# Altium PCB CorePad-V2.0.PcbDoc (part 3 of 3) (continued)
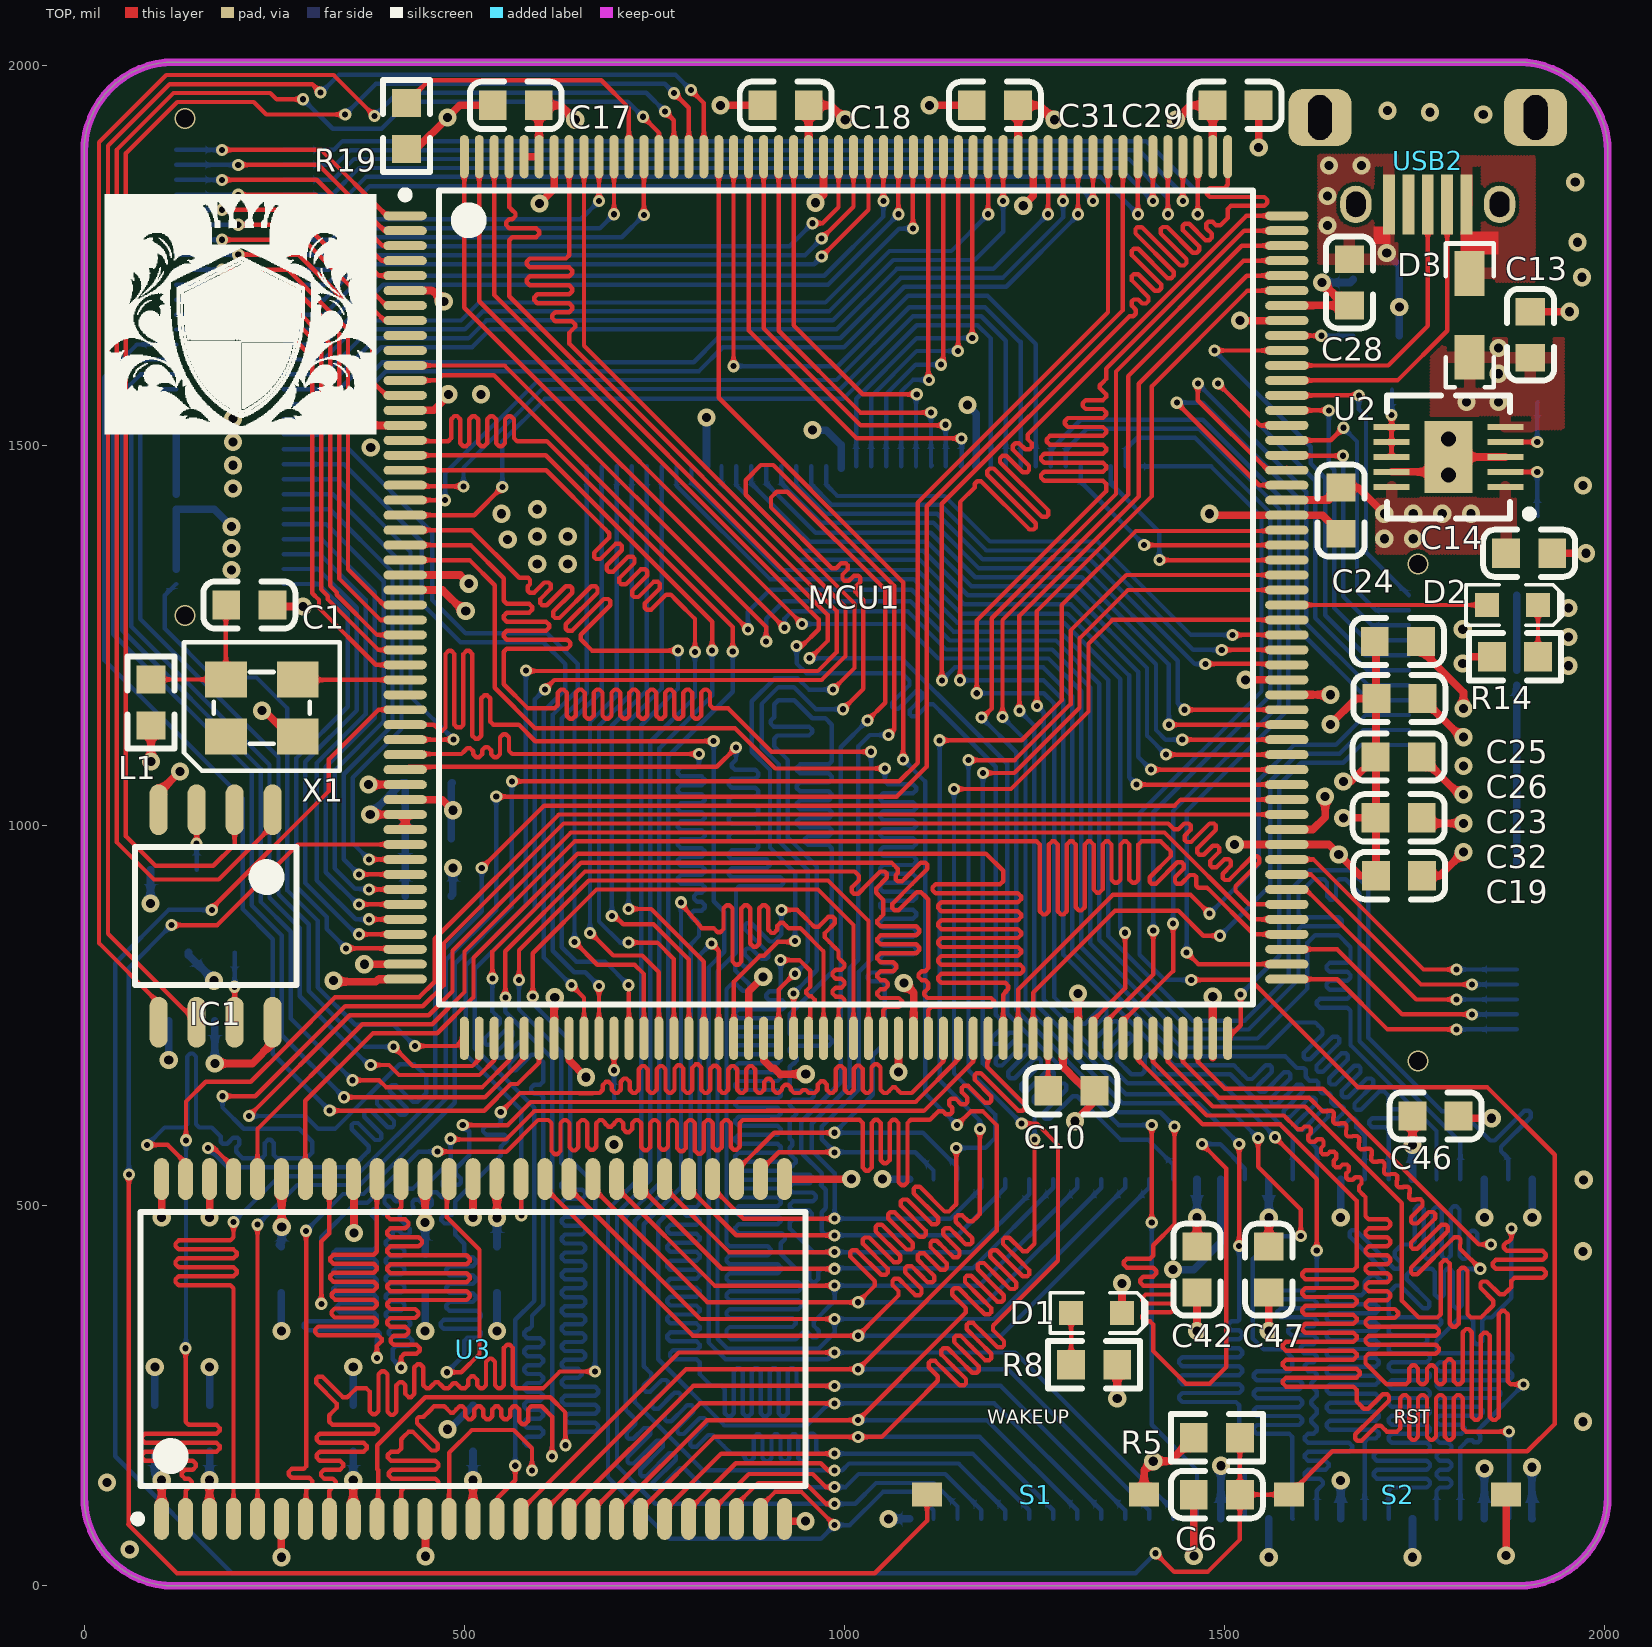
[diagram p0: TOP view]
## Nets (pads, with @x,y where several pads share a name; then routed paths per layer and width w, separated by ;. In a path a pad name is that pad's centre, name@x,y a point inside that pad or via, vN(x,y) a via of type N, cw(c..) or ccw(c..) an arc to the next point about the centre after c; other vN are vias at no path point) (continued)
  TOP w5.78: v1(854,1604) 854,1877.9 855,1878.9 MCU1.190@854.33,1879.57
  BOT w5.78: v1(854,1604) 991.02,1604 1083.58,1696.56 1188.1,1696.56 1251.56,1633.1 J4.33@1251.56,1472.21
LCD_G0: J4.12 MCU1.119 | length 987.3
  TOP w5.78: v1(1403,1073.46) MCU1.119@1581.69,1073.46
  BOT w5.78: J4.12@838.18,1472.21 838.18,1449.82 938.32,1349.68 1098.62,1349.68 1157.3,1291 1297.32,1291 1386.03,1202.29 1386.03,1090.43 v1(1403,1073.46)
LCD_G1: J4.13 MCU1.120 | length 947.7
  TOP w5.78: v1(1422.85,1093.15) MCU1.120@1581.69,1093.15
  BOT w5.78: J4.13@857.86,1472.21 857.86,1447.14 943.54,1361.46 1103.5,1361.46 1162.18,1302.78 1302.2,1302.78 1397.81,1207.17 1397.81,1118.19 v1(1422.85,1093.15)
LCD_G2: J4.14 MCU1.121 | length 917
  TOP w5.78: v1(1444.17,1112.83) MCU1.121@1581.69,1112.83
  BOT w5.78: J4.14@877.55,1472.21 877.55,1449.45 953.76,1373.24 1108.38,1373.24 1167.06,1314.56 1307.08,1314.56 1409.59,1212.05 1409.59,1125.52 1422.28,1112.83 v1(1444.17,1112.83)
LCD_G3: J4.15 MCU1.122 | length 884.8
  TOP w5.78: v1(1426.48,1132.52) MCU1.122@1581.69,1132.52
  BOT w5.78: J4.15@897.23,1472.21 897.23,1449.77 961.98,1385.02 1113.26,1385.02 1171.94,1326.34 1311.96,1326.34 1426.48,1211.82 v1(1426.48,1132.52)
LCD_G4: J4.16 MCU1.123 | length 842.8
  TOP w5.78: v1(1447.2,1152.2) MCU1.123@1581.69,1152.2
  BOT w5.78: J4.16@916.92,1472.21 916.92,1450.08 969,1398 1116.93,1398 1176.81,1338.12 1316.84,1338.12 1438.26,1216.7 1438.26,1161.15 v1(1447.2,1152.2)
LCD_G5: J4.17 MCU1.126 | length 767.1
  TOP w5.78: v1(1474.46,1212.46) 1580.49,1212.46 MCU1.126@1581.69,1211.26
  BOT w5.78: J4.17@936.6,1472.21 936.6,1448.4 975.22,1409.78 1121.81,1409.78 1181.69,1349.9 1323.1,1349.9 1460.54,1212.46 v1(1474.46,1212.46)
LCD_G6: J4.18 MCU1.127 | length 739.1
  TOP w5.78: v1(1496.06,1230.94) MCU1.127@1581.69,1230.94
  BOT w5.78: J4.18@956.29,1472.21 956.29,1448.71 983.44,1421.56 1126.69,1421.56 1186.57,1361.68 1327.98,1361.68 1458.71,1230.94 v1(1496.06,1230.94)
LCD_G7: J4.19 MCU1.128 | length 711.7
  TOP w5.78: v1(1510.37,1250.63) MCU1.128@1581.69,1250.63
  BOT w5.78: J4.19@975.97,1472.21 975.97,1448.03 990.66,1433.34 1131.57,1433.34 1191.45,1373.46 1332.86,1373.46 1455.69,1250.63 v1(1510.37,1250.63)
LCD_HSYNC: J4.31 MCU1.19 | length 1076.2
  TOP w5.78: MCU1.19@422.24,1447.48 423.72,1446 v1(499,1446)
  BOT w5.78: v1(499,1446) 499,1470.66 602.34,1574 994.34,1574 1090.01,1669.67 1179.88,1669.67 1212.19,1637.35 J4.31@1212.19,1472.21
LCD_R0: J4.3 MCU1.64 | length 814.3
  TOP w5.78: MCU1.64@716.53,720.12 716.53,780
  BOT w5.78: J4.3@661.01,1472.21 661.01,1173.67 628.11,1140.77 628.11,840 647.11,821 685,821 v1(716,790)
LCD_R1: J4.4 MCU1.65 | length 833.4
  TOP w5.78: v1(645,847) 675,817 724,817 736.22,804.78 MCU1.65@736.22,720.12
  BOT w5.78: v1(645,847) 645,1141 680.7,1176.7 J4.4@680.7,1472.21
LCD_R2: J4.5 MCU1.66 | length 827
  TOP w5.78: v1(665.33,858.67) 666.33,858.67 695.89,829.11 733.89,829.11 755.91,807.1 MCU1.66@755.91,720.12
  BOT w5.78: v1(665.33,858.67) 665.33,1135.97 700.38,1171.02 J4.5@700.38,1472.21
LCD_R3: J4.6 MCU1.67 | length 839.4
  TOP w5.78: v1(716,846) 754,846 775.59,824.41 MCU1.67@775.59,720.12
  BOT w5.78: v1(716,846) 705,846 677.11,873.89 677.11,1131.09 720.07,1174.05 J4.6@720.07,1472.21
LCD_R4: J4.7 MCU1.68 | length 838.8
  TOP w5.78: v1(694,881) 698.11,881 709,870.11 748.89,870.11 795.28,823.72 MCU1.68@795.28,720.12
  BOT w5.78: v1(694,881) 694,1131.32 739.75,1177.07 J4.7@739.75,1472.21
LCD_R5: J4.8 MCU1.69 | length 830.8
  TOP w5.78: v1@713,887 v1@714.5,885.5 ; v1(715.88,890.23) 745.77,890.23 814.96,821.04 MCU1.69@814.96,720.12
  BOT w5.78: v1(715.88,890.23) 715.88,1136.54 759.44,1180.1 J4.8@759.44,1472.21
LCD_R6: J4.9 MCU1.95 | length 1206.6
  TOP w5.78: MCU1.95@1326.77,720.12 1327.98,721.32 1327.98,744.98 1369,786 v1(1369,859)
  BOT w5.78: J4.9@779.12,1472.21 779.12,1446.88 902,1324 1090.98,1324 1148.19,1266.79 1288.21,1266.79 1362.47,1192.53 1362.47,865.53 v1(1369,859)
LCD_R7: J4.10 MCU1.118 | length 1047.1
  TOP w5.78: v1(1383.78,1053.78) MCU1.118@1581.69,1053.78
  BOT w5.78: J4.10@798.81,1472.21 798.81,1451.19 914,1336 1095.64,1336 1153.07,1278.57 1293.09,1278.57 1374.25,1197.41 1374.25,1063.31 v1(1383.78,1053.78)
LCD_VSYNC: J4.32 MCU1.20 | length 1118.1
  TOP w5.78: MCU1.20@422.24,1427.8 v1(474.8,1427.8)
  BOT w5.78: v1(474.8,1427.8) 474.8,1463.11 597.46,1585.78 989.46,1585.78 1085.13,1681.45 1184.75,1681.45 1230.08,1636.12 1231.88,1636.12 J4.32@1231.88,1472.21
LED1: D2.A MCU1.130 | length 263.3
  TOP w5.78: MCU1.130@1581.69,1290 D2.A@1845,1290
MPU_IIC_SCL: J2.33 MCU1.48 | length 665.6
  TOP w5.78: v1(374.65,876.61) MCU1.48@422.24,876.61
  BOT w5.78: J2.33@262.73,1356.93 310.07,1356.93 370.32,1296.68 370.32,1146.5 305.99,1082.17 305.99,927.75 357.13,876.61 v1(374.65,876.61)
MPU_IIC_SDA: J2.32 MCU1.49 | length 666.1
  TOP w5.78: v1(361.33,856.93) MCU1.49@422.24,856.93
  BOT w5.78: J2.32@262.73,1337.24 307.76,1337.24 358.54,1286.46 358.54,1151.38 291,1083.84 291,924.34 358.41,856.93 v1(361.33,856.93)
NetC1_1: C1.1 L1.2 X1.4 | length 196.7
  TOP w5.78: L1.2@88,1192 X1.4@186.51,1192 186.51,1289.51 C1.1@187,1290
NetC10_2: C10.2 MCU1.92 | length 69.2
  TOP w5.78: MCU1.92@1267.72,720.12 1267.72,651.28 C10.2@1268,651
NetC11_2: C11.2 MCU1.148 | length 87.4
  TOP w5.78: MCU1.148@1581.69,1644.33 1582.02,1644 v1(1627,1644)
  BOT w5.78: v1(1627,1644) C11.2@1669,1644
NetD1_A: D1.A R8.2 | length 68
  TOP w5.78: R8.2@1298,291 D1.A@1298,359
NetD2_K: D2.K R14.1 | length 68
  TOP w5.78: D2.K@1911.93,1290 1911.93,1222.07 R14.1@1912,1222
NetD3_1: D3.1 USB2.1
NetIC1_3: IC1.3 R28.1 | length 78.8
  TOP w5.78: v1(148,976) IC1.3@148,1020.76
  BOT w5.78: R28.1@148,942 v1(148,976)
NetIC1_7: IC1.7 R27.1 | length 91.8
  TOP w5.78: IC1.7@198,741.24 v1(198,788)
  BOT w5.78: v1(198,788) R27.1@198,833
NetL4_1: L4.1 U2.4 | length 94.9
  TOP w5.78: U2.4@1869,1504.31 v1(1911,1504.31)
  BOT w5.78: v1(1911,1504.31) 1911,1555.8 L4.1@1912,1556.8
NetL4_2: L4.2 U2.2 | length 100.2
  TOP w5.78: U2.2@1869,1464.94 1869.06,1465 v1(1911,1465)
  BOT w5.78: v1(1911,1465) 1911,1408.2 L4.2@1912,1407.2
NetR26_1: R26.1 U2.6 U2.7 U2.8 | length 88.6
  TOP w5.78: U2.8@1719.39,1484.63 U2.7@1719.39,1504.31 U2.6@1719.39,1524 v1(1719.39,1539.61)
  BOT w5.78: v1(1719.39,1539.61) 1720,1540.21 R26.1@1720,1573
NRST: C6.1 J4.40 MCU1.34 R5.2 S2.1 | length 5199.2
  TOP w5.78: v1(168,889) 168,891.25 322,1045.25 322,1087 387.2,1152.2 MCU1.34@422.24,1152.2 ; v1(1409,43) 1433.52,18.48 1477.48,18.48 1520,61 C6.1@1520,120 ; v1(1456,797) 1534,797 1675,656 1845,656 1934,567 1934,213 1898,177 1641.57,177 S2.1@1584.57,120 C6.1@1520,120 ; R5.2@1520,195 C6.1@1520,120
  BOT w5.78: v1(168,889) 111.11,889 40.89,818.78 40.89,170.54 194.65,16.78 1382.78,16.78 v1(1409,43) ; J4.40@1389.36,1472.21 1482.1,1472.21 1548.32,1405.99 1548.32,1176.32 1388,1016 1388,829.96 1420.96,797 v1(1456,797)
OTG_D_N: MCU1.145 USB2.2 | length 404.2
  TOP w5.78: MCU1.145@1581.69,1585.28 1727.28,1585.28 1792.59,1650.59 USB2.2@1792.59,1816.83
OTG_D_P: MCU1.146 USB2.3 | length 366.7
  TOP w5.78: MCU1.146@1581.69,1604.96 1714.96,1604.96 1767,1657 USB2.3@1767,1816.83
PA0: MCU1.43 S1.1 | length 2304.1
  TOP w5.78: v1(59,541) 59,82.44 57.78,81.22 122.22,16.78 1039.78,16.78 1108.57,85.57 S1.1@1108.57,120 ; v1(115,869) 175,869 281.04,975.04 MCU1.43@422.24,975.04
  BOT w5.78: v1(59,541) 59,810.56 57.78,811.78 v1(115,869)
PA1: J2.37 MCU1.44 | length 665.4
  TOP w5.78: v1(374.65,955.35) MCU1.44@422.24,955.35
  BOT w5.78: J2.37@262.73,1435.67 327.33,1435.67 417.44,1345.56 417.44,1126.98 353.11,1062.65 353.11,976.89 v1(374.65,955.35)
PA3: J2.31 MCU1.50 | length 673.9
  TOP w5.78: v1(344.55,838.45) 421.04,838.45 MCU1.50@422.24,837.24
  BOT w5.78: J2.31@262.73,1317.56 308.44,1317.56 346.76,1279.24 346.76,1156.26 279.22,1088.72 279.22,919.46 319,879.68 319,864 v1(344.55,838.45)
PA5: J2.18 MCU1.54 | length 1202.7
  TOP w5.78: v1(407,709) 432.32,683.68 510.68,683.68 519.68,692.68 MCU1.54@519.68,720.12
  BOT w5.78: J2.18@121,1553.78 80.78,1553.78 73.74,1546.74 73.74,1271.7 255.66,1089.78 255.66,909.7 295.33,870.03 295.33,782.47 368.8,709 v1(407,709)
PA7: J2.16 MCU1.56 | length 1363.6
  TOP w5.78: v1(353,665) 388,665 397,656 523.8,656 559.05,691.26 MCU1.56@559.05,720.12
  BOT w5.78: J2.16@121,1593.15 74.15,1593.15 50.18,1569.18 50.18,1256.82 232.1,1074.9 232.1,899.94 271.77,860.27 271.77,746.23 v1(353,665)
PA9: J3.4 MCU1.143 | length 433.9
  TOP w5.78: MCU1.143@1581.69,1545.91 v1(1636.91,1545.91)
  BOT w5.78: v1(1636.91,1545.91) 1636.91,1475 1643.98,1467.93 1643.98,1286.02 1686.32,1243.69 J3.4@1742.27,1243.69
PA10: J3.1 MCU1.144 | length 384.8
  TOP w5.78: MCU1.144@1581.69,1565.59 v1(1676.41,1565.59)
  BOT w5.78: v1(1676.41,1565.59) 1676.41,1547.59 1685.78,1538.22 1685.78,1359.23 J3.1@1742.27,1302.74
PA15: J2.59 MCU1.160 | length 1281.6
  TOP w5.78: v1(1444.88,1821.16) MCU1.160@1444.88,1879.57
  BOT w5.78: J2.59@262.73,1868.74 330.74,1868.74 350.22,1888.22 1386.78,1888.22 1444.88,1830.12 v1(1444.88,1821.16)
PB0: J2.39 MCU1.61 | length 1077
  TOP w5.78: v1(641,790) 657.48,773.52 MCU1.61@657.48,720.12 MCU1.61@657.48,695.48
  BOT w5.78: J2.39@262.73,1475.04 341.96,1475.04 444,1373 444,1292 495,1241 603.89,1241 633,1211.89 633,1178.98 611.8,1157.78 611.45,1157.78 604.55,1150.88 604.55,826.45 v1(641,790)
PB1: J2.40 MCU1.62 | length 1121
  TOP w5.78: v1(677,789) 677.16,788.84 MCU1.62@677.16,720.12 MCU1.62@677.16,694.16
  BOT w5.78: J2.40@262.73,1494.72 348.28,1494.72 457.91,1385.09 457.91,1296.55 501.68,1252.78 608.77,1252.78 649.23,1212.31 649.23,1178.55 616.68,1146 616.33,1146 616.33,835.12 644.56,806.89 659.11,806.89 v1(677,789)
PB3: IC1.6 MCU1.192 | length 2118
  TOP w5.78: IC1.6@148,741.24 31.44,857.8 31.44,1893.76 112.67,1974.99 300.01,1974.99 v1(311,1964) ; v1(798,1967) 814.96,1950.04 MCU1.192@814.96,1879.57
  BOT w5.78: v1(311,1964) 312,1964 335.23,1987.23 777.77,1987.23 v1(798,1967)
PB4: IC1.2 MCU1.193 | length 1983.6
  TOP w5.78: IC1.2@198,1020.76 198,975 170,947 94,947 55,986 55,1884 122.43,1951.43 223,1951.43 239.43,1935 v1(343.38,1935) ; v1(776,1963) 795.28,1943.72 MCU1.193@795.28,1879.57
  BOT w5.78: v1(343.38,1935) 383.83,1975.45 763.55,1975.45 v1(776,1963)
PB5: IC1.5 MCU1.194 | length 2080.2
  TOP w5.78: IC1.5@98,741.24 98,767 19.66,845.34 19.66,1898.64 107.91,1986.89 328.11,1986.89 v1(382,1933) ; v1(764,1939) 775.59,1927.41 MCU1.194@775.59,1879.57
  BOT w5.78: v1(382,1933) 412.67,1963.67 739.33,1963.67 v1(764,1939)
PB6: IC1.1 MCU1.195 | length 2012.5
  TOP w5.78: IC1.1@248,1020.76 248,1000 177,929 92,929 43.22,977.78 43.22,1888.88 117.55,1963.21 245,1963.21 253.21,1955 v1(288,1955) ; v1(735,1932) 755.91,1911.1 MCU1.195@755.91,1879.57
  BOT w5.78: v1(288,1955) 326.89,1916.11 391.11,1916.11 426.89,1951.89 715.11,1951.89 v1(735,1932)
PB8: J2.53 MCU1.198 | length 531.9
  TOP w5.78: v1(696.85,1803.85) MCU1.198@696.85,1879.57
  BOT w5.78: J2.53@262.73,1750.63 322.29,1750.63 356.99,1785.33 678.33,1785.33 v1(696.85,1803.85)
PB10: J3.9 MCU1.90 | length 813.4
  TOP w5.78: MCU1.90@1228.35,720.12 1228.35,784.35 1353,909 1455,909 v1(1480,884)
  BOT w5.78: v1(1480,884) 1545,949 1545,1060 1591,1106 1646,1106 1685.26,1145.26 J3.9@1742.27,1145.26
PB11: J3.10 MCU1.91 | length 804.9
  TOP w5.78: MCU1.91@1248.03,720.12 1248.03,780.03 1355.78,887.78 1439.11,887.78 1471.89,855 v1(1494,855)
  BOT w5.78: v1(1494,855) 1560,921 1560,1058.34 1595.88,1094.22 1650.88,1094.22 1682.23,1125.57 J3.10@1742.27,1125.57
PB12: J3.11 MCU1.104 | length 553.6
  TOP w5.78: MCU1.104@1503.94,720.12 1521,737.18 v1(1521,778)
  BOT w5.78: v1(1521,778) 1571.78,828.78 1571.78,1053.46 1600.76,1082.44 1655.76,1082.44 1679.21,1105.89 J3.11@1742.27,1105.89
PB13: J3.31 MCU1.105 | length 334.8
  TOP w5.78: MCU1.105@1581.69,797.87 1648.13,797.87 1714.13,731.87 v1(1804.61,731.87) ; v1@1805.37,732.63 v1@1809,729
  BOT w5.78: v1(1804.61,731.87) J3.31@1884,731.87
PB15: J3.32 MCU1.107 | length 337.8
  TOP w5.78: MCU1.107@1581.69,837.24 1647.76,837.24 1733.44,751.56 v1(1825.07,751.56)
  BOT w5.78: v1(1825.07,751.56) J3.32@1884,751.56
PC4: J2.15 MCU1.57 | length 1442.5
  TOP w5.78: v1(341.66,642.66) 527.11,642.66 578.74,694.29 MCU1.57@578.74,720.12
  BOT w5.78: J2.15@121,1612.83 72.83,1612.83 38.4,1578.4 38.4,1251.6 220.32,1069.68 220.32,895.06 259.99,855.39 259.99,724.33 v1(341.66,642.66)
PC5: J2.14 MCU1.58 | length 1532.9
  TOP w5.78: v1(323,625) 526.11,625 561.12,660.01 570.01,660.01 598.42,688.42 MCU1.58@598.42,720.12
  BOT w5.78: J2.14@121,1632.52 69.52,1632.52 26.62,1589.62 26.62,1217.48 208.54,1035.56 208.54,890.18 248.21,850.51 248.21,699.79 v1(323,625)
PC8: J3.3 MCU1.140 | length 361.5
  TOP w5.78: MCU1.140@1581.69,1486.85 1582.3,1486.24 v1(1655.76,1486.24)
  BOT w5.78: v1(1655.76,1486.24) 1655.76,1301.24 1693.63,1263.37 J3.3@1742.27,1263.37
PC9: J3.2 MCU1.141 | length 385.7
  TOP w5.78: MCU1.141@1584.16,1509 MCU1.141@1581.69,1506.54 1639.54,1506.54 v1(1656,1523)
  BOT w5.78: v1(1656,1523) 1674,1505 1674,1308 1698.94,1283.06 J3.2@1742.27,1283.06
PC10: J2.58 MCU1.161 | length 1292.2
  TOP w5.78: v1(1425.2,1803.85) MCU1.161@1425.2,1879.57
  BOT w5.78: J2.58@262.73,1849.06 327.71,1849.06 355.1,1876.44 1374.12,1876.44 1425.2,1825.37 v1(1425.2,1803.85)
PC11: J2.57 MCU1.162 | length 1233.8
  TOP w5.78: v1(1405.51,1821.16) MCU1.162@1405.51,1879.57
  BOT w5.78: J2.57@262.73,1829.37 326.37,1829.37 361.66,1864.66 1362.02,1864.66 v1(1405.51,1821.16)
PC12: J2.56 MCU1.163 | length 1237
  TOP w5.78: v1(1385.83,1803.85) MCU1.163@1385.83,1879.57
  BOT w5.78: J2.56@262.73,1809.69 327.69,1809.69 370.88,1852.88 1336.8,1852.88 v1(1385.83,1803.85)
PC13: J2.7 MCU1.8 | length 345.3
  TOP w5.78: v1(181.57,1770.32) 288.69,1770.32 394.98,1664.02 MCU1.8@422.24,1664.02
  BOT w5.78: J2.7@121,1770.32 v1(181.57,1770.32)
PD2: J2.55 MCU1.166 | length 1151.7
  TOP w5.78: v1(1326.77,1821.16) MCU1.166@1326.77,1879.57
  BOT w5.78: J2.55@262.73,1790 324.66,1790 375.55,1840.89 1307.05,1840.89 v1(1326.77,1821.16)
PD4: J2.42 MCU1.168 | length 1214.6
  TOP w5.78: v1(1287.4,1821.16) MCU1.168@1287.4,1879.57
  BOT w5.78: J2.42@262.73,1534.09 317.09,1534.09 392.34,1609.34 801.67,1609.34 833,1640.67 994.37,1640.67 1073.82,1720.12 1207.87,1720.12 1287.4,1799.65 v1(1287.4,1821.16)
PD5: J2.43 MCU1.169 | length 1184.3
  TOP w5.78: v1(1267.72,1803.85) MCU1.169@1267.72,1879.57
  BOT w5.78: J2.43@262.73,1553.78 315.78,1553.78 390.77,1628.77 510.29,1628.77 533.97,1652.45 989.49,1652.45 1068.94,1731.9 1195.77,1731.9 v1(1267.72,1803.85)
PD6: J2.44 MCU1.172 | length 1130.5
  TOP w5.78: v1(1208.66,1821.16) MCU1.172@1208.66,1879.57
  BOT w5.78: J2.44@262.73,1573.46 316.46,1573.46 383.55,1640.55 505.41,1640.55 529.09,1664.23 984.61,1664.23 1064.06,1743.68 1171.34,1743.68 1208.66,1781 v1(1208.66,1821.16)
PD7: J2.45 MCU1.173 | length 1089.2
  TOP w5.78: v1(1188.98,1803.85) MCU1.173@1188.98,1879.57
  BOT w5.78: J2.45@262.73,1593.15 316.15,1593.15 375.33,1652.33 500.53,1652.33 524.21,1676.01 979.73,1676.01 1059.18,1755.46 1140.59,1755.46 v1(1188.98,1803.85)
PD11: J3.33 MCU1.111 | length 362.3
  TOP w5.78: MCU1.111@1581.69,915.98 1607.02,915.98 1751.76,771.24 v1(1804.61,771.24)
  BOT w5.78: v1(1804.61,771.24) J3.33@1884,771.24
PD12: J3.34 MCU1.112 | length 362.3
  TOP w5.78: MCU1.112@1581.69,935.67 1613.33,935.67 1758.07,790.93 v1(1825.07,790.93)
  BOT w5.78: v1(1825.07,790.93) J3.34@1884,790.93
PD13: J3.35 MCU1.113 | length 362.3
  TOP w5.78: MCU1.113@1581.69,955.35 1616.65,955.35 1761.39,810.61 v1(1804.61,810.61)
  BOT w5.78: v1(1804.61,810.61) J3.35@1884,810.61
PE2: J2.1 MCU1.1 | length 337.1
  TOP w5.78: v1(181.57,1888.43) 311.57,1888.43 398.19,1801.81 MCU1.1@422.24,1801.81
  BOT w5.78: J2.1@121,1888.43 v1(181.57,1888.43)
PE3: J2.2 MCU1.2 | length 337.1
  TOP w5.78: v1(202.74,1868.74) 308.26,1868.74 394.87,1782.13 MCU1.2@422.24,1782.13
  BOT w5.78: J2.2@121,1868.74 v1(202.74,1868.74)
PE6: J2.5 MCU1.5 | length 337.1
  TOP w5.78: v1(181.57,1809.69) 301.32,1809.69 387.93,1723.07 MCU1.5@422.24,1723.07
  BOT w5.78: J2.5@121,1809.69 v1(181.57,1809.69)
PF6: J2.9 MCU1.27 | length 668.4
  TOP w5.78: v1(181.57,1730.94) 268.06,1730.94 347.12,1651.88 347.12,1336.88 394,1290 MCU1.27@422.24,1290
  BOT w5.78: J2.9@121,1730.94 v1(181.57,1730.94)
PF7: J2.10 MCU1.28 | length 672.7
  TOP w5.78: v1(202.74,1711.26) 271.08,1711.26 335.34,1647 335.34,1324.66 389.69,1270.31 MCU1.28@422.24,1270.31
  BOT w5.78: J2.10@121,1711.26 v1(202.74,1711.26)
PF8: J2.11 MCU1.29 | length 671.9
  TOP w5.78: v1(181.57,1691.57) 265.43,1691.57 323.56,1633.44 323.56,1315.3 332.45,1306.41 332.45,1303.55 385.37,1250.63 MCU1.29@422.24,1250.63
  BOT w5.78: J2.11@121,1691.57 v1(181.57,1691.57)
PF9: J2.12 MCU1.30 | length 672.7
  TOP w5.78: v1(202.74,1671.89) 268.45,1671.89 311.78,1628.56 311.78,1310.42 320.67,1301.53 320.67,1297.33 387.06,1230.94 MCU1.30@422.24,1230.94
  BOT w5.78: J2.12@121,1671.89 v1(202.74,1671.89)
PF10: J2.13 MCU1.31 | length 671.9
  TOP w5.78: v1(181.57,1652.2) 263.68,1652.2 300,1615.88 300,1305.54 308.89,1296.65 308.89,1286.11 383.74,1211.26 MCU1.31@422.24,1211.26
  BOT w5.78: J2.13@121,1652.2 v1(181.57,1652.2)
PG9: J2.46 MCU1.178 | length 993.4
  TOP w5.78: v1(1090,1785) 1090,1879.02 MCU1.178@1090.55,1879.57
  BOT w5.78: J2.46@262.73,1612.83 314.83,1612.83 366.11,1664.11 495.65,1664.11 519.33,1687.79 974.86,1687.79 1072.07,1785 v1(1090,1785)
PG12: J2.49 MCU1.181 | length 895.8
  TOP w5.78: v1(970,1748.11) 1031.5,1809.61 MCU1.181@1031.5,1879.57
  BOT w5.78: J2.49@262.73,1671.89 315.89,1671.89 382.21,1738.21 960.1,1738.21 v1(970,1748.11)
PG13: J2.50 MCU1.182 | length 865.5
  TOP w5.78: v1(970,1772) 1011.81,1813.81 MCU1.182@1011.81,1879.57
  BOT w5.78: J2.50@262.73,1691.57 315.89,1691.57 374.31,1749.99 947.99,1749.99 v1(970,1772)
PG14: J2.51 MCU1.183 | length 838
  TOP w5.78: v1(958,1792) 971,1792 992.13,1813.13 MCU1.183@992.13,1879.57
  BOT w5.78: J2.51@262.73,1711.26 318.92,1711.26 369.43,1761.77 927.77,1761.77 v1(958,1792)
PH2: J2.35 MCU1.46 | length 670.6
  TOP w5.78: v1(374.65,915.98) MCU1.46@422.24,915.98
  BOT w5.78: J2.35@262.73,1396.3 318.7,1396.3 393.88,1321.12 393.88,1136.74 329.55,1072.41 329.55,943.56 356.48,916.63 374,916.63 v1(374.65,915.98)
PH3: J2.34 MCU1.47 | length 665.1
  TOP w5.78: v1(361.33,896.3) MCU1.47@422.24,896.3
  BOT w5.78: J2.34@262.73,1376.61 312.39,1376.61 382.1,1306.9 382.1,1141.62 317.77,1077.29 317.77,938.68 360.16,896.3 v1(361.33,896.3)
PI8: J2.6 MCU1.7 | length 345.3
  TOP w5.78: v1(202.74,1790) 291,1790 397.3,1683.7 MCU1.7@422.24,1683.7
  BOT w5.78: J2.6@121,1790 v1(202.74,1790)
PI11: J2.8 MCU1.13 | length 418.9
  TOP w5.78: v1(202.74,1750.63) 282.37,1750.63 379,1654 379,1584 397.41,1565.59 MCU1.13@422.24,1565.59
  BOT w5.78: J2.8@121,1750.63 v1(202.74,1750.63)
SWCLK: J2.60 MCU1.159 | length 1338.7
  TOP w5.78: v1(1464.57,1803.85) MCU1.159@1464.57,1879.57
  BOT w5.78: J2.60@262.73,1888.43 328.43,1888.43 340,1900 1396.66,1900 1464.57,1832.09 v1(1464.57,1803.85)
SWDIO: J3.5 MCU1.147 | length 635.7
  TOP w5.78: v1(1486.35,1624.65) MCU1.147@1581.69,1624.65
  BOT w5.78: v1(1486.35,1624.65) 1613,1498 1613,1476 1632.2,1456.8 1632.2,1276.46 1684.66,1224 J3.5@1742.27,1224
SYS_CLK: MCU1.32 X1.3 | length 141.4
  TOP w5.78: X1.3@281,1192 281.43,1191.57 MCU1.32@422.24,1191.57
VDDA: C7.1 C8.1 L2.2 MCU1.41 MCU1.42 | length 279.1
  TOP w10: v2(376.41,1014.41) MCU1.41@422.24,1014.41 MCU1.42@422.24,994.72
  BOT w10: v2(376.41,1014.41) 418.35,1056.35 C7.1@423.24,1056.35 422.24,1055.35 C8.1@422.24,982.35 L2.2@422.24,907.35
pads on no net: D1.0 D2.0 J2.61 J2.62 J3.12 J3.13 J3.14 J3.15 J3.16 J3.17 J3.18 J3.19 J3.20 J3.21 J3.22 J3.23 J3.24 J3.25 J3.26 J3.27 J3.28 J3.29 J3.30 J3.36 J3.37 J3.38 J3.39 J3.40 J3.41 J3.61 J3.62 J4.37 MCU1.9 MCU1.10 MCU1.33 USB2.4 USB2.6 USB2.7 USB2.8 USB2.9 X1.1
copper on no net:
  other v3: 1754.08,690.54 132.81,1276.22 1754.08,1344.08 132.81,1929.76

## Polygon pours and split planes (outlines as drawn)
5V on TOP "TOP-No Net" (hatched 90Degree grid 4 track 5, remove dead copper, pour order 60): 1772,1522 1945,1522 1945,1640 1772,1640
3V3 on TOP "TOP-No Net" (hatched 90Degree grid 4 track 5, remove dead copper, pour order 58): 1882,1445.28 1882,1358 1700,1358 1700,1428 1700,1445 1717,1445
NetD3_1 on TOP "TOP-No Net" (hatched 90Degree grid 4 track 5, remove dead copper, pour order 56): 1807.44,1716.15 1907,1715.94 1907,1879 1806.9,1879
GND on TOP "TOP-No Net" (hatched 90Degree grid 4 track 5, remove dead copper, pour order 54): 1624,1739.89 1624,1881 1726,1881 1726,1738.7
3V3 on BOT "TOP-No Net" (hatched 90Degree grid 4 track 5, remove dead copper, pour order 78): 1884,1164.94 1798.06,1164.94 1798,1085 1798,938 1947.98,938 1948,1087 1948,1165
GND on BOT "TOP-No Net" (hatched 90Degree grid 4 track 5, remove dead copper, pour order 76): 1884,1302.74 1800.26,1302.74 1800.26,1196 1879,1196 1885,1196 1892,1196 1966,1196 1966,1200 1965,1302.74
GND on BOT "TOP-No Net" (hatched 90Degree grid 4 track 5, remove dead copper, pour order 74): 90,1402.41 90,1329 213,1329 213,1402.41
5V on BOT "TOP-No Net" (hatched 90Degree grid 4 track 5, remove dead copper, pour order 66): 1769.8,1603.8 1813,1647 1878,1647 1878,1537 1769.8,1537
5V on BOT "TOP-No Net" (hatched 90Degree grid 4 track 5, remove dead copper, pour order 68): 610,1482 610,1531 610,1544 623,1544 649,1544 649,1320 580,1320 580,1482
5V on BOT "TOP-No Net" (hatched 90Degree grid 4 track 5, remove dead copper, pour order 70): 121,1543 211,1543 211,1432 181,1432 181,1446 121,1446
GND on GND02 (split plane): 1894.38,1983.56 1902.86,1982.44 1911.22,1980.59 1919.38,1978.01 1927.29,1974.74 1934.88,1970.79 1942.1,1966.19 1948.89,1960.98 1955.2,1955.2 1960.98,1948.89 1966.19,1942.1 1970.79,1934.88 1974.74,1927.29 1978.01,1919.38 1980.59,1911.22 1982.44,1902.86 1983.56,1894.38 1983.9,1886.46 1983.84,1885.83 1983.84,118.11 1983.9,117.48 1983.56,109.56 1982.44,101.07 1980.59,92.72 1978.01,84.56 1974.74,76.65 1970.79,69.06 1966.19,61.84 1960.98,55.05 1955.2,48.74 1948.89,42.96 1942.1,37.75 1934.88,33.15 1927.29,29.2 1919.38,25.92 1911.22,23.35 1902.86,21.5 1894.38,20.38 1886.46,20.03 1885.83,20.1 118.11,20.1 117.48,20.03 109.56,20.38 101.07,21.5 92.72,23.35 84.56,25.92 76.65,29.2 69.06,33.15 61.84,37.75 55.05,42.96 48.74,48.74 42.96,55.05 37.75,61.84 33.15,69.06 29.2,76.65 25.92,84.56 23.35,92.72 21.5,101.07 20.38,109.56 20.03,117.48 20.1,118.11 20.1,1885.83 20.03,1886.46 20.38,1894.38 21.5,1902.86 23.35,1911.22 25.92,1919.38 29.2,1927.29 33.15,1934.88 37.75,1942.1 42.96,1948.89 48.74,1955.2 55.05,1960.98 61.84,1966.19 69.06,1970.79 76.65,1974.74 84.56,1978.01 92.72,1980.59 101.07,1982.44 109.56,1983.56 117.48,1983.9 118.11,1983.84 1885.83,1983.84 1886.46,1983.9
5V on VCC03 (split plane): 1943.84,1528.1 1775.11,1528.1 1687.1,1616.11 1687.1,1709 1686.71,1710.95 1685.6,1712.6 1644.6,1753.6 1642.95,1754.71 1641,1755.1 1575,1755.1 1574.25,1754.95 1573.5,1754.87 1573.29,1754.76 1573.05,1754.71 1572.42,1754.29 1571.75,1753.93 1046.5,1319.1 484.11,1319.1 477.6,1325.6 475.95,1326.71 474,1327.1 376.11,1327.1 307.6,1395.6 305.95,1396.71 304,1397.1 189.11,1397.1 161.1,1425.11 161.1,1538.89 198.11,1575.9 257.89,1575.9 354.4,1479.4 356.05,1478.29 358,1477.9 1037,1477.9 1038.95,1478.29 1040.6,1479.4 1419.11,1857.9 1943.84,1857.9
3V3 on VCC03 (split plane): 1892.33,1943.56 1898.76,1942.47 1905.02,1940.67 1911.04,1938.17 1916.74,1935.02 1922.05,1931.25 1926.91,1926.91 1931.25,1922.05 1935.02,1916.74 1938.17,1911.04 1940.67,1905.02 1942.47,1898.76 1943.56,1892.33 1943.89,1886.59 1943.84,1885.83 1943.84,1868.1 1417,1868.1 1415.05,1867.71 1413.4,1866.6 1034.89,1488.1 360.11,1488.1 263.6,1584.6 261.95,1585.71 260,1586.1 196,1586.1 194.05,1585.71 192.4,1584.6 152.4,1544.6 151.29,1542.95 150.9,1541 150.9,1423 151.29,1421.05 152.4,1419.4 183.4,1388.4 185.05,1387.29 187,1386.9 301.89,1386.9 370.4,1318.4 372.05,1317.29 374,1316.9 471.89,1316.9 478.4,1310.4 480.05,1309.29 482,1308.9 1048.34,1308.9 1049.08,1309.05 1049.84,1309.13 1050.05,1309.24 1050.29,1309.29 1050.92,1309.71 1051.59,1310.07 1576.84,1744.9 1638.89,1744.9 1676.9,1706.89 1676.9,1614 1677.29,1612.05 1678.4,1610.4 1769.4,1519.4 1771.05,1518.29 1773,1517.9 1943.84,1517.9 1943.84,118.11 1943.89,117.35 1943.56,111.6 1942.47,105.18 1940.67,98.92 1938.17,92.9 1935.02,87.2 1931.25,81.88 1926.91,77.03 1922.05,72.68 1916.74,68.91 1911.04,65.76 1905.02,63.27 1898.76,61.47 1892.33,60.37 1886.59,60.05 1885.83,60.09 118.11,60.09 117.35,60.05 111.6,60.37 105.18,61.47 98.92,63.27 92.9,65.76 87.2,68.91 81.88,72.68 77.03,77.03 72.68,81.88 68.91,87.2 65.76,92.9 63.27,98.92 61.47,105.18 60.37,111.6 60.05,117.35 60.09,118.11 60.09,1885.83 60.05,1886.59 60.37,1892.33 61.47,1898.76 63.27,1905.02 65.76,1911.04 68.91,1916.74 72.68,1922.05 77.03,1926.91 81.88,1931.25 87.2,1935.02 92.9,1938.17 98.92,1940.67 105.18,1942.47 111.6,1943.56 117.35,1943.89 118.11,1943.84 1885.83,1943.84 1886.59,1943.89

## Keep-outs
Keep-Out Layer:
  the board outline again, w10

## Other copper
TOP:
  rectangle net NetD3_1: 1810,1751 1860,1781
  rectangle net GND: 1695.44,1764.96 1717.94,1787.94
  pour cut-out: 1825.94,1358 1825.94,1333 1827.73,1331.21 1857.94,1331.21 1857.94,1350.94 1861,1354
  pour cut-out: 1673.94,1474 1696,1474 1696,1457.07 1688.27,1449.34 1686.5,1451.11 1672.72,1451.11
BOT:
  pour cut-out: 1925,1191 1925,1174 1923,1172 1923.06,1171.94 1955.2,1171.94 1955.2,1186.8 1955,1187
  pour cut-out: 1821.94,1196 1844,1196 1848,1192 1848,1172 1824.88,1172 1821.94,1174.94
VCC03 (plane layer: these items are gaps in the copper):
  lines w10: 2002.94,1863 1417,1863 1037,1483 521,1483 358,1483 260,1581 196,1581 156,1541 156,1423 187,1392 304,1392 374,1322 384,1322 474,1322 482,1314 1048.34,1314 1575,1750 1641,1750 1682,1709 1682,1614 1773,1523 2003.94,1523

## Silkscreen, mask and mechanical layers (free items; w line width, h text height)
Top Overlay:
  drawing of 2680 lines, arcs and shapes, not listed
  text "WAKEUP" at 1188,213 h18
  text "RST" at 1722,213 h18